# Altium PCB Cortes.PcbDoc (part 1 of 4) (continued)
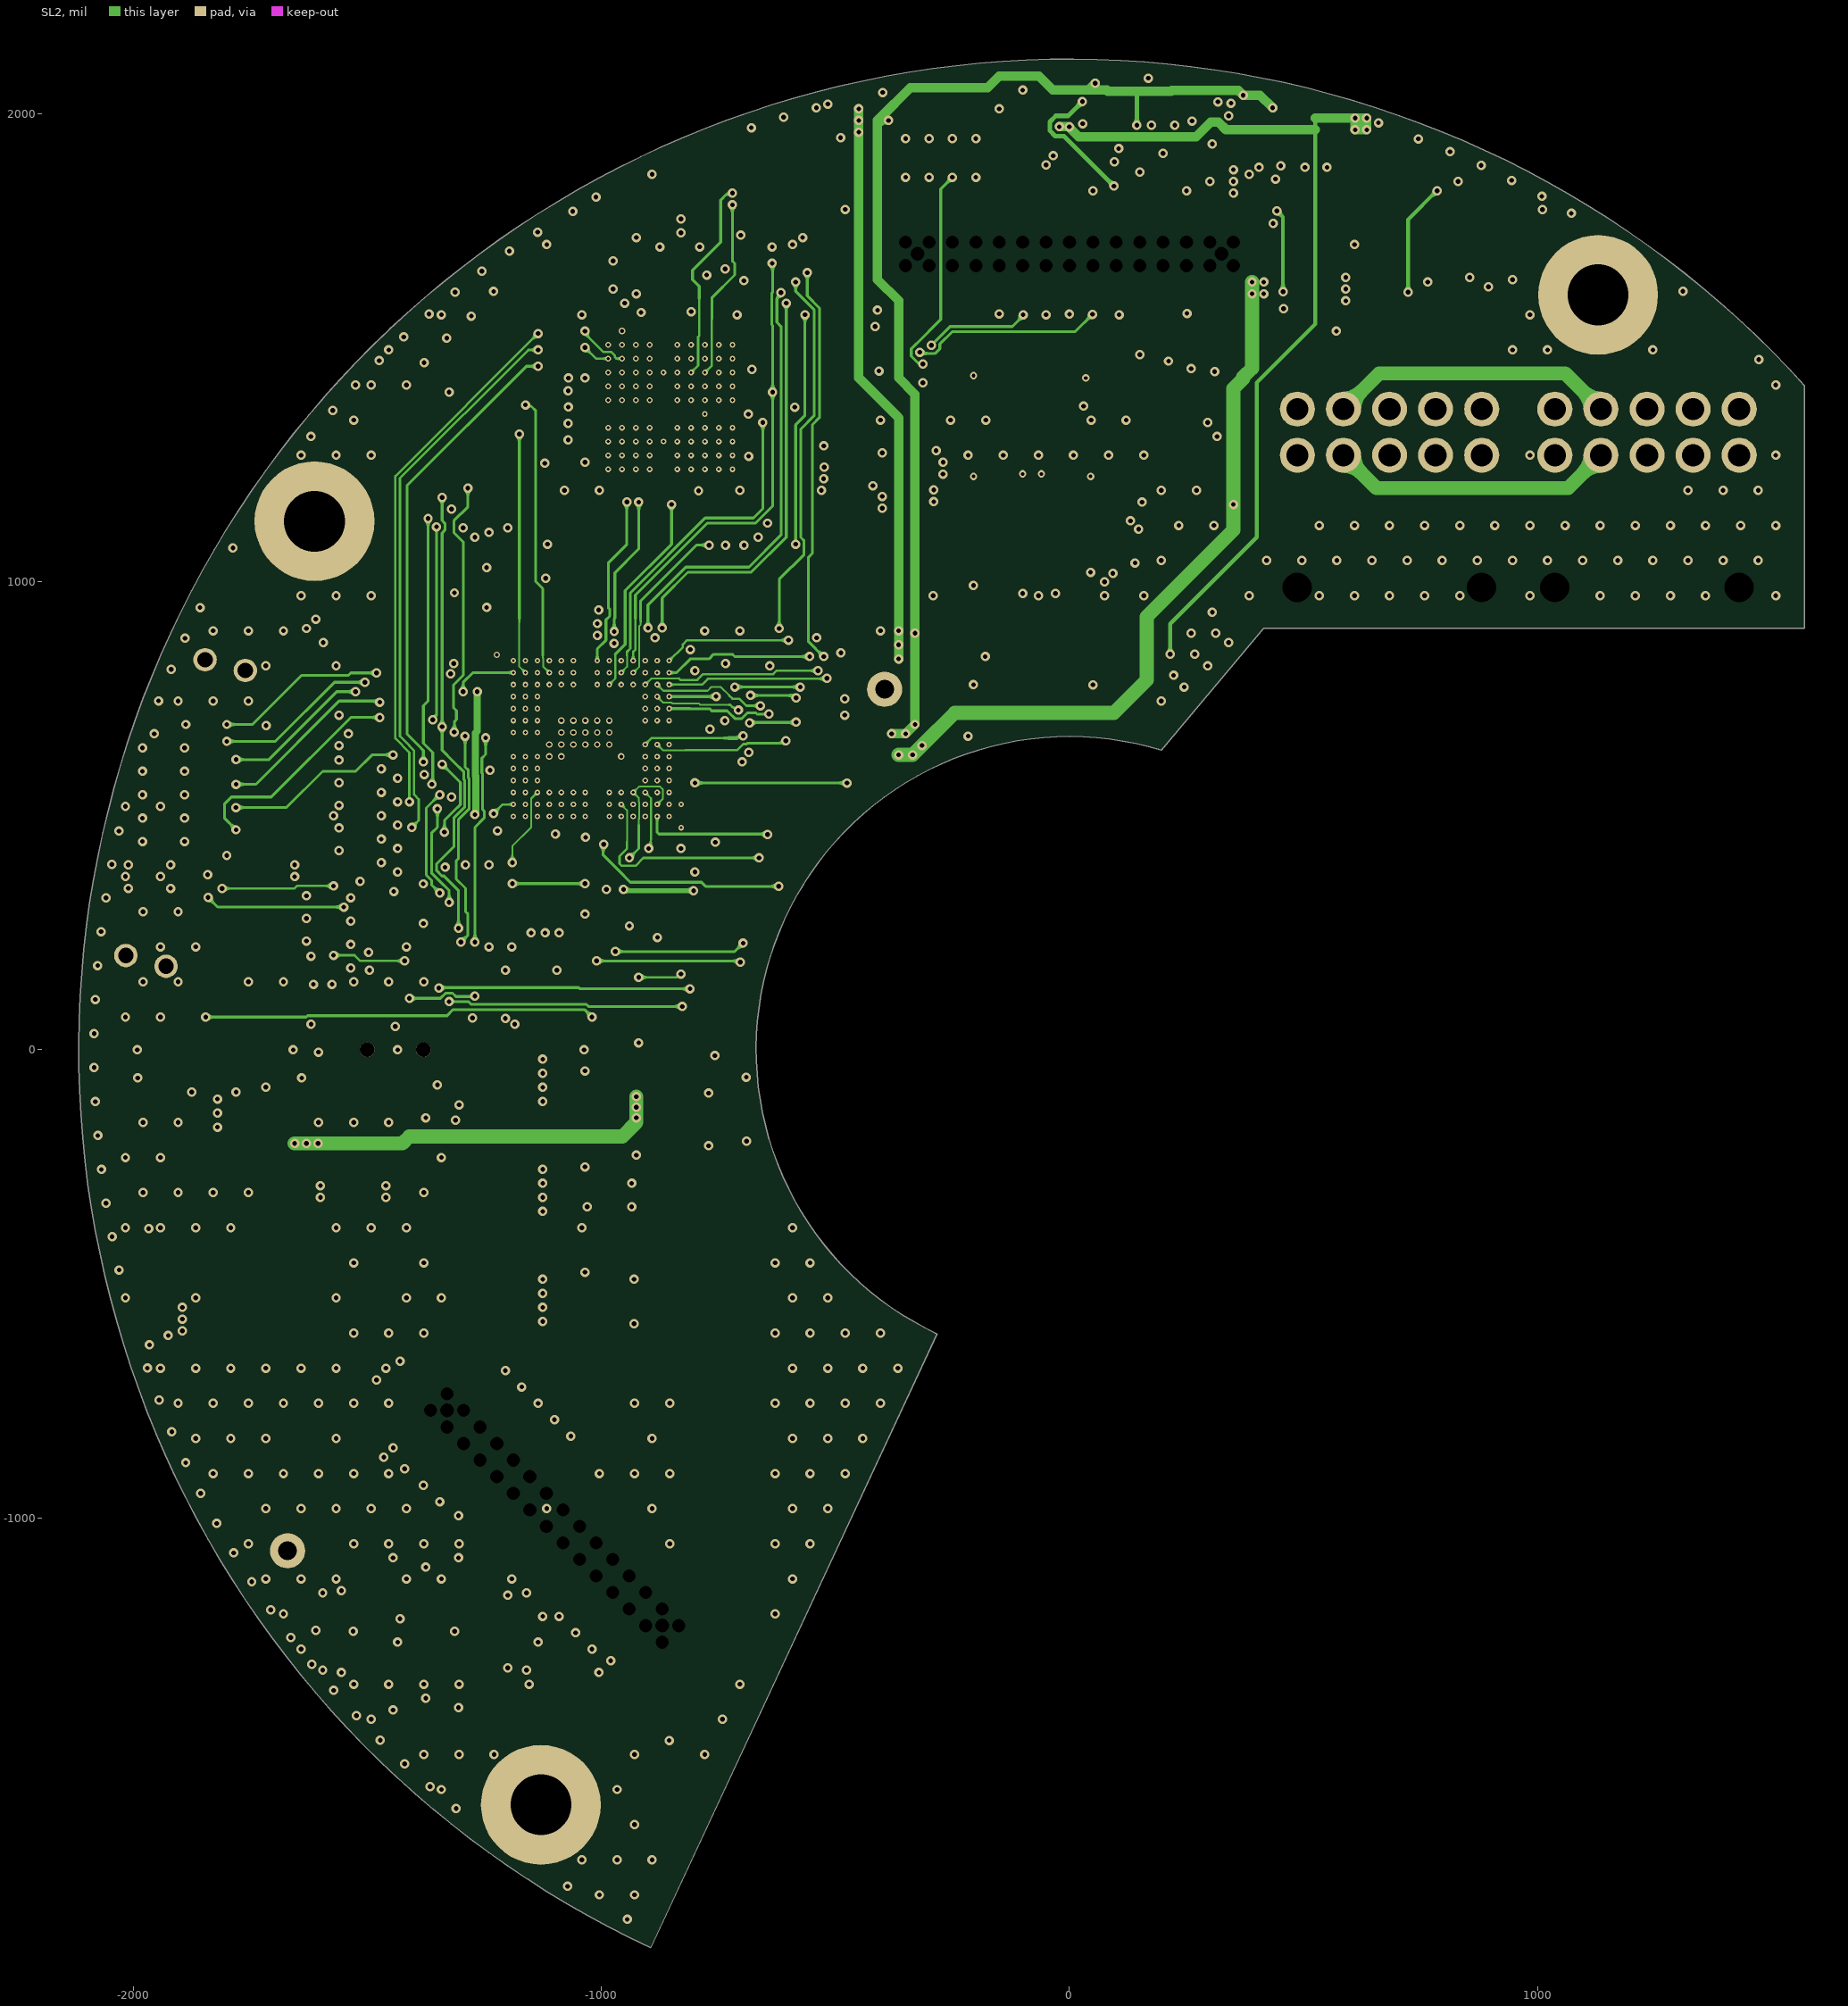
[diagram p4: SL2]
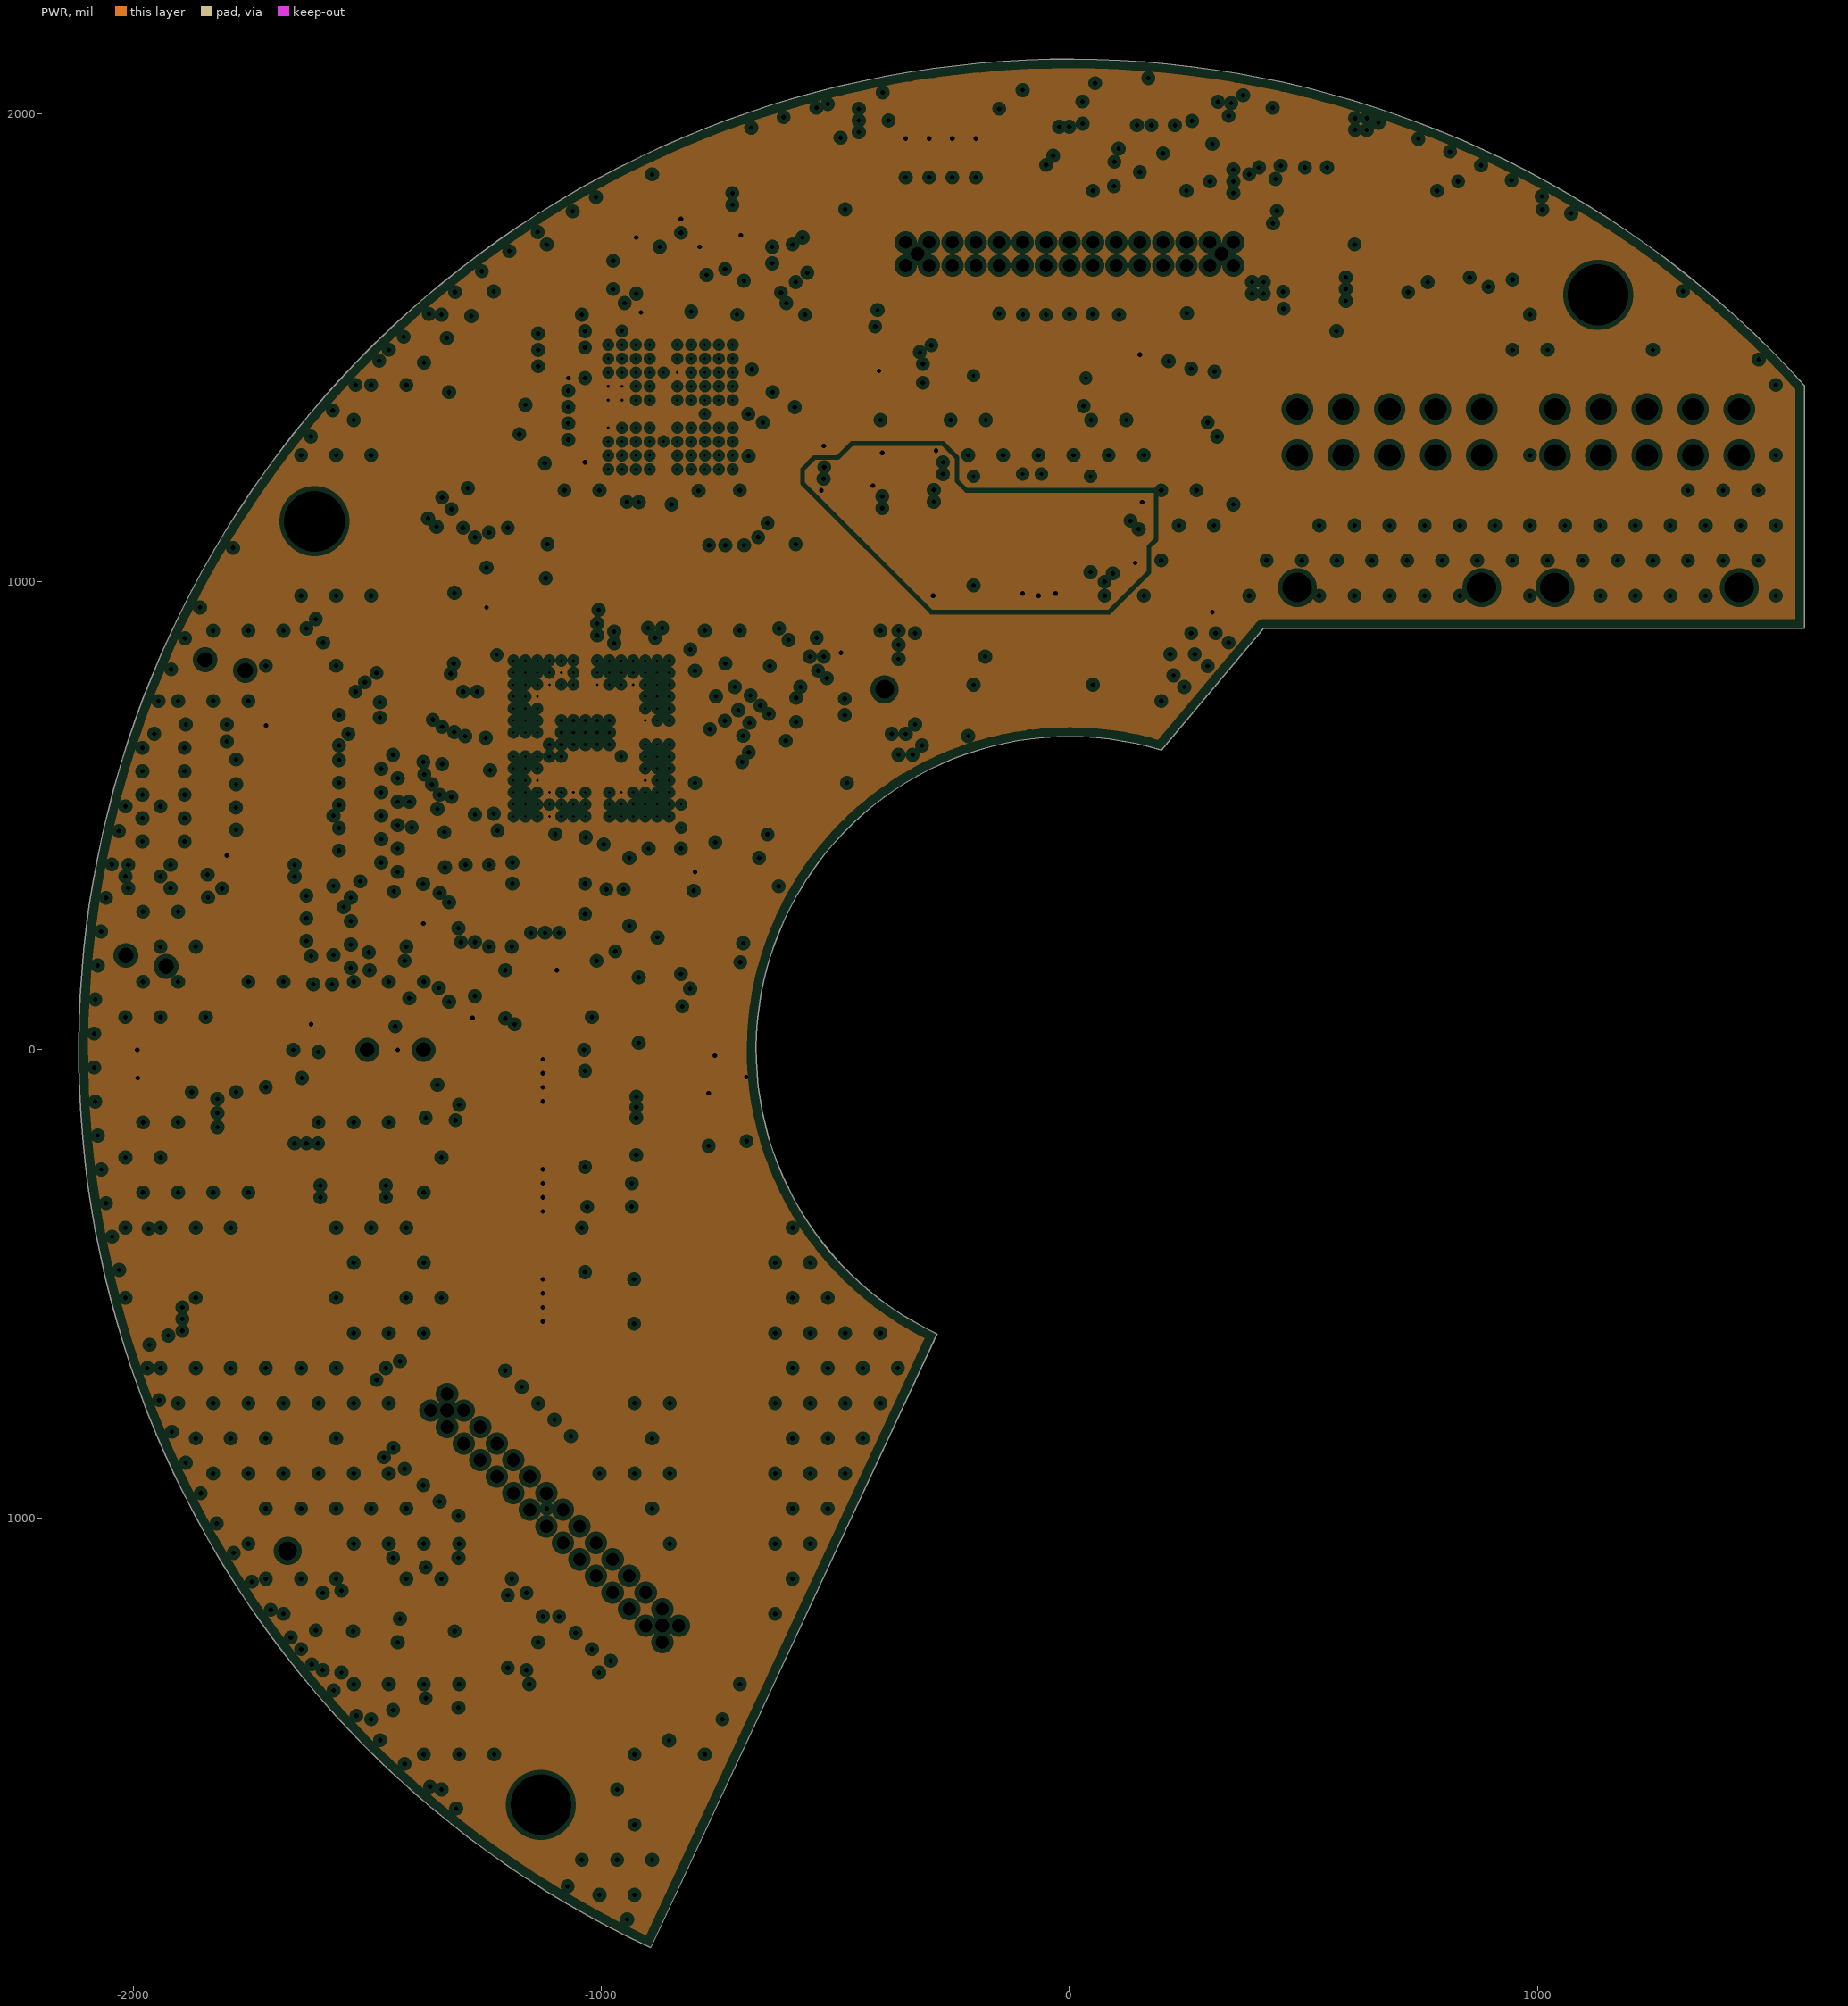
[diagram p5: PWR, clearances drawn from the general rule]

## Layer stack, top to bottom
Top Solder: solder mask 0.8, Solder Resist, Dk 3.5
Top Layer: signal copper 2
Dielectric1: prepreg 4.58, 370HR, Dk 4.04
GND: plane copper 1.378, net (Multiple Nets)
Dielectric2: core 5, 370HR, Dk 4.04
SL1: signal copper 1.378
Dielectric4: core 5, 370HR, Dk 4.04
SL2: signal copper 1.378
Dielectric6: core 5, 370HR, Dk 4.04
PWR: plane copper 1.378, net (Multiple Nets)
Dielectric7: prepreg 4.58, 370HR, Dk 4.04
Bottom Layer: signal copper 2
Bottom Solder: solder mask 0.8, Solder Resist, Dk 3.5

## Board outline
-894.32,-1917.88 cw(c0,0) 1569.95,1418.91 1570,900 414.5,900 196.23,639.88 ccw(c-0.02,0.01) -282.85,-606.58

## Design rules (kind name [scope] priority, off if disabled: settings)
AcuteAngle [All] p1: minimum=6.00000000000000E+0001 checktracksonly=FALSE
AssemblyTestPointUsage [All] p1: allowmultiple=TRUE
AssemblyTestpoint "AssemblyTestpoint - Gorilla" [All] p1: testpointundercomponent=FALSE minsize=22 maxsize=100 preferedsize=60 minholesize=0 maxholesize=40 preferedholesize=32 testpointgrid=5 usegrid=FALSE gridoriginx=503.07 gridoriginy=502.85 gridtolerance=0.01 allowsidetop=TRUE allowsidebottom=TRUE minspacing=5
AssemblyTestpoint "AssemblyTestpoint - Whizz" [All] p2 off: testpointundercomponent=FALSE minsize=26 maxsize=100 preferedsize=60 minholesize=0 maxholesize=40 preferedholesize=32 testpointgrid=5 usegrid=FALSE gridoriginx=503.07 gridoriginy=502.85 gridtolerance=0.01 allowsidetop=TRUE allowsidebottom=TRUE minspacing=5
BoardOutlineClearance BoardOutlineClearance_Silk [OnBottomSilkscreen or OnTopSilkscreen] p1: gap=-1 ignorepadtopadclearanceinfootprint=FALSE
BoardOutlineClearance [All] p2: gap=15 ignorepadtopadclearanceinfootprint=FALSE except(5: Text-OutlineEdge Text-CavityEdge Text-CutoutEdge Text-SplitBarrior Text-SplitContinuation; 14: Via-OutlineEdge Via-CavityEdge Via-CutoutEdge Via-SplitBarrior Via-SplitContinuation)
Clearance via_clearance [IsVia vs OnMid] p1: gap=4.5 ignorepadtopadclearanceinfootprint=TRUE
Clearance FIDS [InComponent('FID1') or InComponent('FID2') or  InComponent('FID3') or  InComponent('FID4') or  InComponent('FID5') or  InComponent('FID6') vs InComponent('FID1') or InComponent('FID2') or  InComponent('FID3') or  InComponent('FID4') or  InComponent('FID5') or  InComponent('FID6')] p2: gap=0 ignorepadtopadclearanceinfootprint=TRUE
Clearance Clearance_24 [InNetClass('24V') vs NOT InNet('No Net')] p3: gap=10 ignorepadtopadclearanceinfootprint=TRUE
Clearance Clearance_MCU_IL [WithinRoom('MCU') AND OnMid] p4: gap=3.5 ignorepadtopadclearanceinfootprint=TRUE
Clearance [All] p5: gap=5 ignorepadtopadclearanceinfootprint=TRUE
ComponentClearance NT [IsNetTieComponent] p1: gap=0 collisioncheckmode=3 verticalgap=0 showdistances=FALSE
ComponentClearance Holes [InComponent('M1') OR InComponent('M2') OR InComponent('M3')] p2: gap=10 collisioncheckmode=3 verticalgap=-1 showdistances=FALSE
ComponentClearance [All] p3: gap=10 collisioncheckmode=3 verticalgap=10 showdistances=FALSE
DiffPairsRouting 100OhmDiffPairsRouting [InDifferentialPairClass('100Ohm')] p1: maxlimit=10 minlimit=8 mostfreqgap=8 toplayer_minwidth=6.1 toplayer_maxwidth=6.1 toplayer_prefwidth=6.1 midlayer1_minwidth=6.1 midlayer1_maxwidth=6.1 midlayer1_prefwidth=6.1 midlayer2_minwidth=6.1 midlayer2_maxwidth=6.1 midlayer2_prefwidth=6.1 bottomlayer_minwidth=6.1 bottomlayer_maxwidth=6.1 bottomlayer_prefwidth=6.1 maxuncoupledlength=500
FabricationTestPointUsage [All] p1: valid=0 allowmultiple=TRUE
FabricationTestpoint [All] p1: side=3 testpointundercomponent=TRUE minsize=5 maxsize=100 preferedsize=60 minholesize=0 maxholesize=40 preferedholesize=32 testpointgrid=5 allowsidetop=TRUE allowsidebottom=TRUE usegrid=FALSE gridoriginx=503.07 gridoriginy=502.85 gridtolerance=0.01
FanoutControl Fanout_Small [(CompPinCount < 5)] p4: bgadir=Out bgaviamode=Centered fanoutstyle=Auto fanoutdirection=OutOnly viagrid=1 // Fanout_Small (Default Rule)
Height [All] p1: minheight=0 maxheight=3000 prefheight=500
HoleSize [All] p1: absolutevalues=TRUE maxlimit=500 minlimit=6 maxpercent=80.000 minpercent=20.000
HoleToHoleClearance conns [InComponent('J2') OR InComponent('J3') vs InComponent('J2') OR InComponent('J3')] p1: gap=5 allowstackedmicrovias=TRUE
HoleToHoleClearance [All] p2: gap=10 allowstackedmicrovias=TRUE
MatchedLengths MatchLengths_xSignals_ECAT [InxSignalClass('xSignals_ECAT_MatchLengthsClass')] p1: tolerance=50 checknetsindiffpair=FALSE checkdiffpairvsdiffpair=TRUE checkxsignals=TRUE checkothers=TRUE
MatchedLengths MatchLengths_xSignals_SPI_J1_U10 [InxSignalClass('xSignals_SPI_J1_U10_MatchLengthsClass')] p2: tolerance=50 checknetsindiffpair=FALSE checkdiffpairvsdiffpair=TRUE checkxsignals=TRUE checkothers=TRUE
MatchedLengths MatchLengths_xSignals_U112_J101,J102 [InxSignalClass('xSignals_U112_J101,J102_MatchLengthsClass')] p3: tolerance=50 checknetsindiffpair=FALSE checkdiffpairvsdiffpair=TRUE checkxsignals=TRUE checkothers=TRUE
MatchedLengths [All] p4: tolerance=100 checknetsindiffpair=TRUE checkdiffpairvsdiffpair=FALSE checkxsignals=FALSE checkothers=FALSE
MinimumAnnularRing mcu_room [WithinRoom('MCU') OR WithinRoom('Trinamic')] p1: minimumring=3
MinimumAnnularRing [All] p2: minimumring=3.5
MinimumSolderMaskSliver MinimumSolderMaskSliver_conn [InComponent('J2') OR InComponent('J3') OR InComponent('U1') OR InComponent('Q1') OR InComponent('U8') vs InComponent('J2') OR InComponent('J3') OR InComponent('U1') OR InComponent('Q1') OR InComponent('U8')] p1: minsoldermaskwidth=0
MinimumSolderMaskSliver MinimumSolderMaskSliver_Via [IsVia vs IsVia] p2: minsoldermaskwidth=0
MinimumSolderMaskSliver [All] p3: minsoldermaskwidth=3
PermittedLayers ThroughHole [IsDIP] p1: toplayerpermitted=TRUE bottomlayerpermitted=FALSE // Single sided through hole only
PermittedLayers [All] p2: toplayerpermitted=TRUE bottomlayerpermitted=TRUE
PlaneClearance [All] p1: clearance=10
PlaneConnect [All] p1: planeconnectstyle=Direct reliefexpansion=20 reliefentries=4 reliefconductorwidth=10 reliefairgap=10
PolygonConnect [All vs IsComponentPad] p1: connectstyle=Direct reliefconductorwidth=10 reliefentries=4 polygonreliefangle="90 Angle" airgapwidth=10
RoomDefinition Trinamic [InComponent('U5')] p1: confinementstyle=ConfineIn formatcopy=TRUE lockcomponents=FALSE outline -1090,1145 -625,1145 -625,1605 -1090,1605
RoomDefinition MCU [InComponent('U2')] p2: confinementstyle=ConfineIn formatcopy=TRUE lockcomponents=FALSE outline -1315.71,383.45 -727.13,383.45 -727.13,920.85 -1315.71,920.85
RoutingVias RoutingVias_BGA [WithinRoom('MCU') OR WithinRoom('Trinamic')] p1: holewidth=8 width=14 viastyle="Through Hole" minholewidth=6 minwidth=12 maxholewidth=28 maxwidth=50
RoutingVias [All] p2: holewidth=10 width=20 viastyle="Through Hole" minholewidth=8 minwidth=16 maxholewidth=50 maxwidth=100
SMDEntry [All] p1: side=TRUE corner=TRUE anyangle=TRUE
SMDToCorner [All] p1: distance=100000
SilkToSilkClearance [All] p1: silktosilkclearance=0
SilkToSolderMaskClearance [IsPad] p1: minsilkscreentomaskgap=1 clearancetoexposedcopper=FALSE
SolderMaskExpansion [All] p1: expansion=0 istentingtop=FALSE
ViasUnderSMD [All] p1: allowed=FALSE
Width BGA [WithinRoom('MCU') OR WithinRoom('Trinamic')] p1: maxlimit=300 minlimit=4 preferedwidth=8 toplayer_minwidth=5 bottomlayer_minwidth=5 minimp=50.000000 maximp=50.000000 favimp=50.000000
Width [All] p2: maxlimit=300 minlimit=5 preferedwidth=8
15 further rules are at their usual default settings.

## Classes and differential pairs
net class 24V: 24V0 NetC45_1 NetC45_2 NetC97_1 NetC97_2 STO1 STO2
net class SE100Ohm: ECAT_EEPROM_CLK ECAT_EEPROM_DATA
net class SE50Ohm: ECAT_PDI_CLK ECAT_PDI_MISO ECAT_PDI_MOSI
net class HighVoltage: NetC1_1
component class temp: C13 C14 C15 C16 C17 C18 C19 C20 C21 C22 C23 C24 R35 R36 R37 R38 R39 R40 R41 R42 R43 R44 R75 R76 U3 U4
component class proc_support: C66 C67 C68 C69 C70 C71 C72 C73 C74 C75 C76 C77 C78 C79 C80 C81 C82 C83 C84 C85 C86 C87 C88 C89 C90 C91 C92 C93 FB4 L1
component class power: C43 C44 C45 C46 C47 C48 C49 C50 C51 C52 C53 C54 C55 C56 C57 C94 C95 C96 C97 C98 C99 C100 C101 D24 D25 L2 L3 LED7 LED8 LED9 NT1 R55 R56 R57 R58 R59 R60 R61 R62 R63 R64 R77 R78 R79 R80 R88 U7 U8 U9
component class Mic: C7 C8 C9 C10 MIC1 MIC2 R4 R5 R6 R7 R8
component class mcu: C11 C12 D1 D2 D3 D4 D5 D6 D7 D8 D9 D10 D11 D12 D13 D14 D15 D16 D17 J1 LED1 LED2 Q1 R9 R10 R11 R12 R13 R14 R15 R16 R17 R18 R19 R20 R21 R22 R23 R24 R25 R26 R27 R28 R29 R30 R31 R32 R33 R34 U2
component class ecat: C25 C26 C27 C28 C29 C30 C31 C32 C33 C34 C35 C36 C37 C38 C39 C40 C41 C42 FB1 LED3 LED4 LED5 LED6 R45 R46 R47 R48 R49 R50 R51 R52 R53 R54 R83 R84 R85 R86 R87 R88 TP3 TP4 U5 U6 X1
component class ecat_conn: C60 C61 C62 C63 C64 C65 D23 J4 J5 R71 R72 R73 R74 T1 T2
component class Accelerometer: C2 C3 C4 C5 C6 R2 R3 U1
component class mezz: C58 C59 D18 D19 D20 D21 D22 FB2 FB3 J2 J3 J6 R65 R66 R67 R68 R69 R70
component class ecat0: PCB2
differential pair class 100Ohm: ECAT_R0 ECAT_R1 ECAT_T0 ECAT_T1 ECATPHY0_R ECATPHY0_T ECATPHY1_R ECATPHY1_T
net class Diff100Ohm: ECAT_R0_N ECAT_R0_P ECAT_R1_N ECAT_R1_P ECAT_T0_N ECAT_T0_P ECAT_T1_N ECAT_T1_P ECATPHY0_R_N ECATPHY0_R_P ECATPHY0_T_N ECATPHY0_T_P ECATPHY1_R_N ECATPHY1_R_P ECATPHY1_T_N ECATPHY1_T_P
component class 1-Top: C1 C102 C103 FID1 FID2 FID3 FID4 FID5 FID6 M1 M2 M3 PCB100 R1 R81 R82 TP1 TP2
differential pair ECATPHY1_T: +ECATPHY1_T_P -ECATPHY1_T_N
differential pair ECATPHY1_R: +ECATPHY1_R_P -ECATPHY1_R_N
differential pair ECATPHY0_T: +ECATPHY0_T_P -ECATPHY0_T_N
differential pair ECATPHY0_R: +ECATPHY0_R_P -ECATPHY0_R_N
differential pair ECAT_T1: +ECAT_T1_P -ECAT_T1_N
differential pair ECAT_T0: +ECAT_T0_P -ECAT_T0_N
differential pair ECAT_R1: +ECAT_R1_P -ECAT_R1_N
differential pair ECAT_R0: +ECAT_R0_P -ECAT_R0_N

## Components (designator, comment, footprint, x,y, rotation, side; value= is the part's Value field where it differs from the comment)
C1 "__Template_Cap" C0402 970,1790 r90 top value=0.01UF
C2 "__Template_Cap_Auto" C0201Y -820,-140 r270 top value=0.1UF
C3 "__Template_Cap_Auto" C0201Y -710,-120 r270 top value=0.1UF
C4 "__Template_Cap" C0402 -785,-150 r270 top value=10UF
C5 "__Template_Cap" C0201Y -855,-140 r270 top value=0.01UF
C6 "__Template_Cap_Auto" C0201Y -745,-120 r270 top value=0.1UF
C7 "__Template_Cap_Auto" C0201Y -1575,100 r90 top value=0.1UF
C8 "__Template_Cap" C0201Y -1615,100 r90 top value=220PF
C9 "__Template_Cap_Auto" C0201Y -1240,35 r0 bottom value=0.1UF
C10 "__Template_Cap" C0201Y -1240,70 r0 bottom value=220PF
C11 "__Template_Cap_Auto" C0201Y -1455,170 r180 top value=0.1UF
C12 "__Template_Cap" C0201Y -1700,545 r0 bottom value=100PF
C13 "__Template_Cap_Auto" C0201Y -1567.64,-1241.89 r180 top value=0.1UF
C14 "__Template_Cap_Auto" C0201Y 130.02,2072.67 r180 top value=0.1UF
C15 "__Template_Cap_Auto" C0201Y -1410,-1105 r0 top value=0.1UF
C16 "__Template_Cap_Auto" C0201Y -1557.64,-1191.89 r90 top value=0.1UF
C17 "__Template_Cap_Auto" C0201Y 305,1970 r270 top value=0.1UF
C18 "__Template_Cap_Auto" C0201Y 70,1990 r270 bottom value=0.1UF
C19 "__Template_Cap_Auto" C0201Y -1415,-1385 r0 top value=0.1UF
C20 "__Template_Cap_Auto" C0201Y -1555,-1290 r270 top value=0.1UF
C21 "__Template_Cap_Auto" C0201Y -1340,-1385 r180 top value=0.1UF
C22 "__Template_Cap_Auto" C0201Y -1200,-1280 r270 top value=0.1UF
C23 "__Template_Cap_Auto" C0201Y -1340,-1105 r180 top value=0.1UF
C24 "__Template_Cap_Auto" C0201Y -1200,-1205 r90 top value=0.1UF
C25 "__Template_Cap_Auto" C0201Y -835,1715 r180 top value=0.1UF
C26 "__Template_Cap" C0201 -775,1615 r90 top value=15PF
C27 "__Template_Cap" C0402 -735.69,1127.88 r90 top value=10UF
C28 "__Template_Cap_Auto" C0201Y -695.69,1137.88 r90 top value=0.1UF
C29 "__Template_Cap_Auto" C0201Y -695.69,1606.07 r90 top value=0.1UF
C30 "__Template_Cap" C0402 -735.69,1617.88 r90 top value=10UF
C31 "__Template_Cap" C0201Y -1000,1720 r90 top value=0.01UF
C32 "__Template_Cap" C0201Y -675,1715 r0 top value=0.01UF
C33 "__Template_Cap_Auto" C0201Y -865.69,1492.88 r270 bottom value=0.1UF
C34 "__Template_Cap_Auto" C0201Y -915.69,1357.88 r0 bottom value=0.1UF
C35 "__Template_Cap_Auto" C0201Y -815.69,1357.88 r180 bottom value=0.1UF
C36 "__Template_Cap_Auto" C0201Y -865.69,1337.88 r90 bottom value=0.1UF
C37 "__Template_Cap_Auto" C0201Y -865.69,1397.88 r270 bottom value=0.1UF
C38 "__Template_Cap_Auto" C0201Y -1030.69,1407.88 r0 bottom value=0.1UF
C39 "__Template_Cap_Auto" C0201Y -1029.63,1373.04 r0 bottom value=0.1UF
C40 "__Template_Cap_Auto" C0201Y -1030.69,1337.88 r0 bottom value=0.1UF
C41 "__Template_Cap_Auto" C0201Y -1030.69,1302.88 r0 bottom value=0.1UF
C42 "__Template_Cap_Auto" C0201Y -1080.69,1252.88 r0 top value=0.1UF
C43 "__Template_Cap" C0402 435,1715 r90 top value=0.1UF
C44 "__Template_Cap" C1210_H2.7mm 580,1615 r0 bottom value=10uF
C45 "__Template_Cap" C0402 541.02,1829.49 r270 top value=0.1UF
C46 "__Template_Cap_Auto" C2220 595,1835 r180 bottom value=47uF
C47 "__Template_Cap_Auto" C2220 860,1685 r270 bottom value=47uF
C48 "__Template_Cap_Auto" C0201Y 557.08,1965.37 r180 top value=0.1UF
C49 "__Template_Cap" C0201Y 558.62,1930 r180 top value=0.01UF
C50 "__Template_Cap" C0201 393,1996 r180 top value=1UF
C51 "__Template_Cap" C0402 -1780,-145 r90 top value=0.1UF
C52 "__Template_Cap" C0402 515,1535 r0 bottom value=15nF
C53 "__Template_Cap" C0201Y -1260,-160 r180 top value=0.01UF
C54 "__Template_Cap_Auto" C0201Y -1260,-125 r180 top value=0.1UF
C55 "__Template_Cap_Auto" C2220 -1085,-305 r0 top value=47uF
C56 "__Template_Cap_Auto" C2220 -1085,-70 r0 top value=47uF
C57 "__Template_Cap_Auto" C2220 -1085,-540 r0 top value=47uF
C58 "__Template_Cap_Auto" C0201Y 65,1930 r0 bottom value=0.1UF
C59 "__Template_Cap_Auto" C0201Y 65,1875 r0 bottom value=0.1UF
C60 "__Template_Cap" C0402 -150,975 r0 bottom value=0.01UF
C61 "__Template_Cap" C0402 20,975 r180 bottom value=0.01UF
C62 "__Template_Cap" C0402 -10,1230 r180 bottom value=0.01UF
C63 "__Template_Cap" C0402 -150,1230 r0 bottom value=0.01UF
C64 "__Template_Cap_Auto" C1210 -80,840 r180 bottom value=1nF
C65 "__Template_Cap_Auto" C1210 -75,1375 r0 bottom value=1nF
C66 "__Template_Cap_Auto" C0201Y -1110.98,588.17 r90 bottom value=0.1UF
C67 "__Template_Cap_Auto" C0201Y -944.65,741.72 r270 bottom value=0.1UF
C68 "__Template_Cap_Auto" C0201Y -1034.21,588.17 r90 bottom value=0.1UF
C69 "__Template_Cap_Auto" C0201Y -944.65,664.94 r270 bottom value=0.1UF
C70 "__Template_Cap_Auto" C0201Y -1110.98,741.72 r270 bottom value=0.1UF
C71 "__Template_Cap_Auto" C0201Y -1072.6,588.17 r90 bottom value=0.1UF
C72 "__Template_Cap_Auto" C0201Y -983.03,588.17 r90 bottom value=0.1UF
C73 "__Template_Cap_Auto" C0201Y -1072.6,741.72 r270 bottom value=0.1UF
C74 "__Template_Cap_Auto" C0201Y -944.65,588.17 r90 bottom value=0.1UF
C75 "__Template_Cap_Auto" C0201Y -1021.42,741.72 r270 bottom value=0.1UF
C76 "__Template_Cap" C0402 -1150,170 r180 top value=10UF
C77 "__Template_Cap" C0201Y -1245,985 r90 top value=0.01UF
C78 "__Template_Cap" C0201Y -500,880 r180 top value=100PF
C79 "__Template_Cap" C0201 -865,430 r0 top value=1UF
C80 "__Template_Cap_Auto" C0201Y -935.41,431.16 r180 top value=0.1UF
C81 "__Template_Cap" C0402 -990,390 r270 top value=4.7UF
C82 "__Template_Cap" C0201 -990,300 r90 top value=1UF
C83 "__Template_Cap" C0201Y -955,300 r90 top value=0.01UF
C84 "__Template_Cap_Auto" C0201Y -1280,530 r180 top value=0.1UF
C85 "__Template_Cap_Auto" C0201Y -770,795 r0 top value=0.1UF
C86 "__Template_Cap_Auto" C0201Y -1277.32,792.9 r180 top value=0.1UF